# Altium PCB vme64x6U_ctrlc.PcbDoc (part 15 of 18)
Units mm, origin at the board's own origin, x right, y up, seen from the top; angles counter-clockwise.
Board outline 233.35 x 162 mm, 6 copper layers (TopLayer, PlaneGnd, PlanePwr, MidLayer3, MidLayer4, BottomLayer); 408 components, 677 nets, 2169 pads, 1555 vias.
Unrouted connection lines stored in the file: 184.
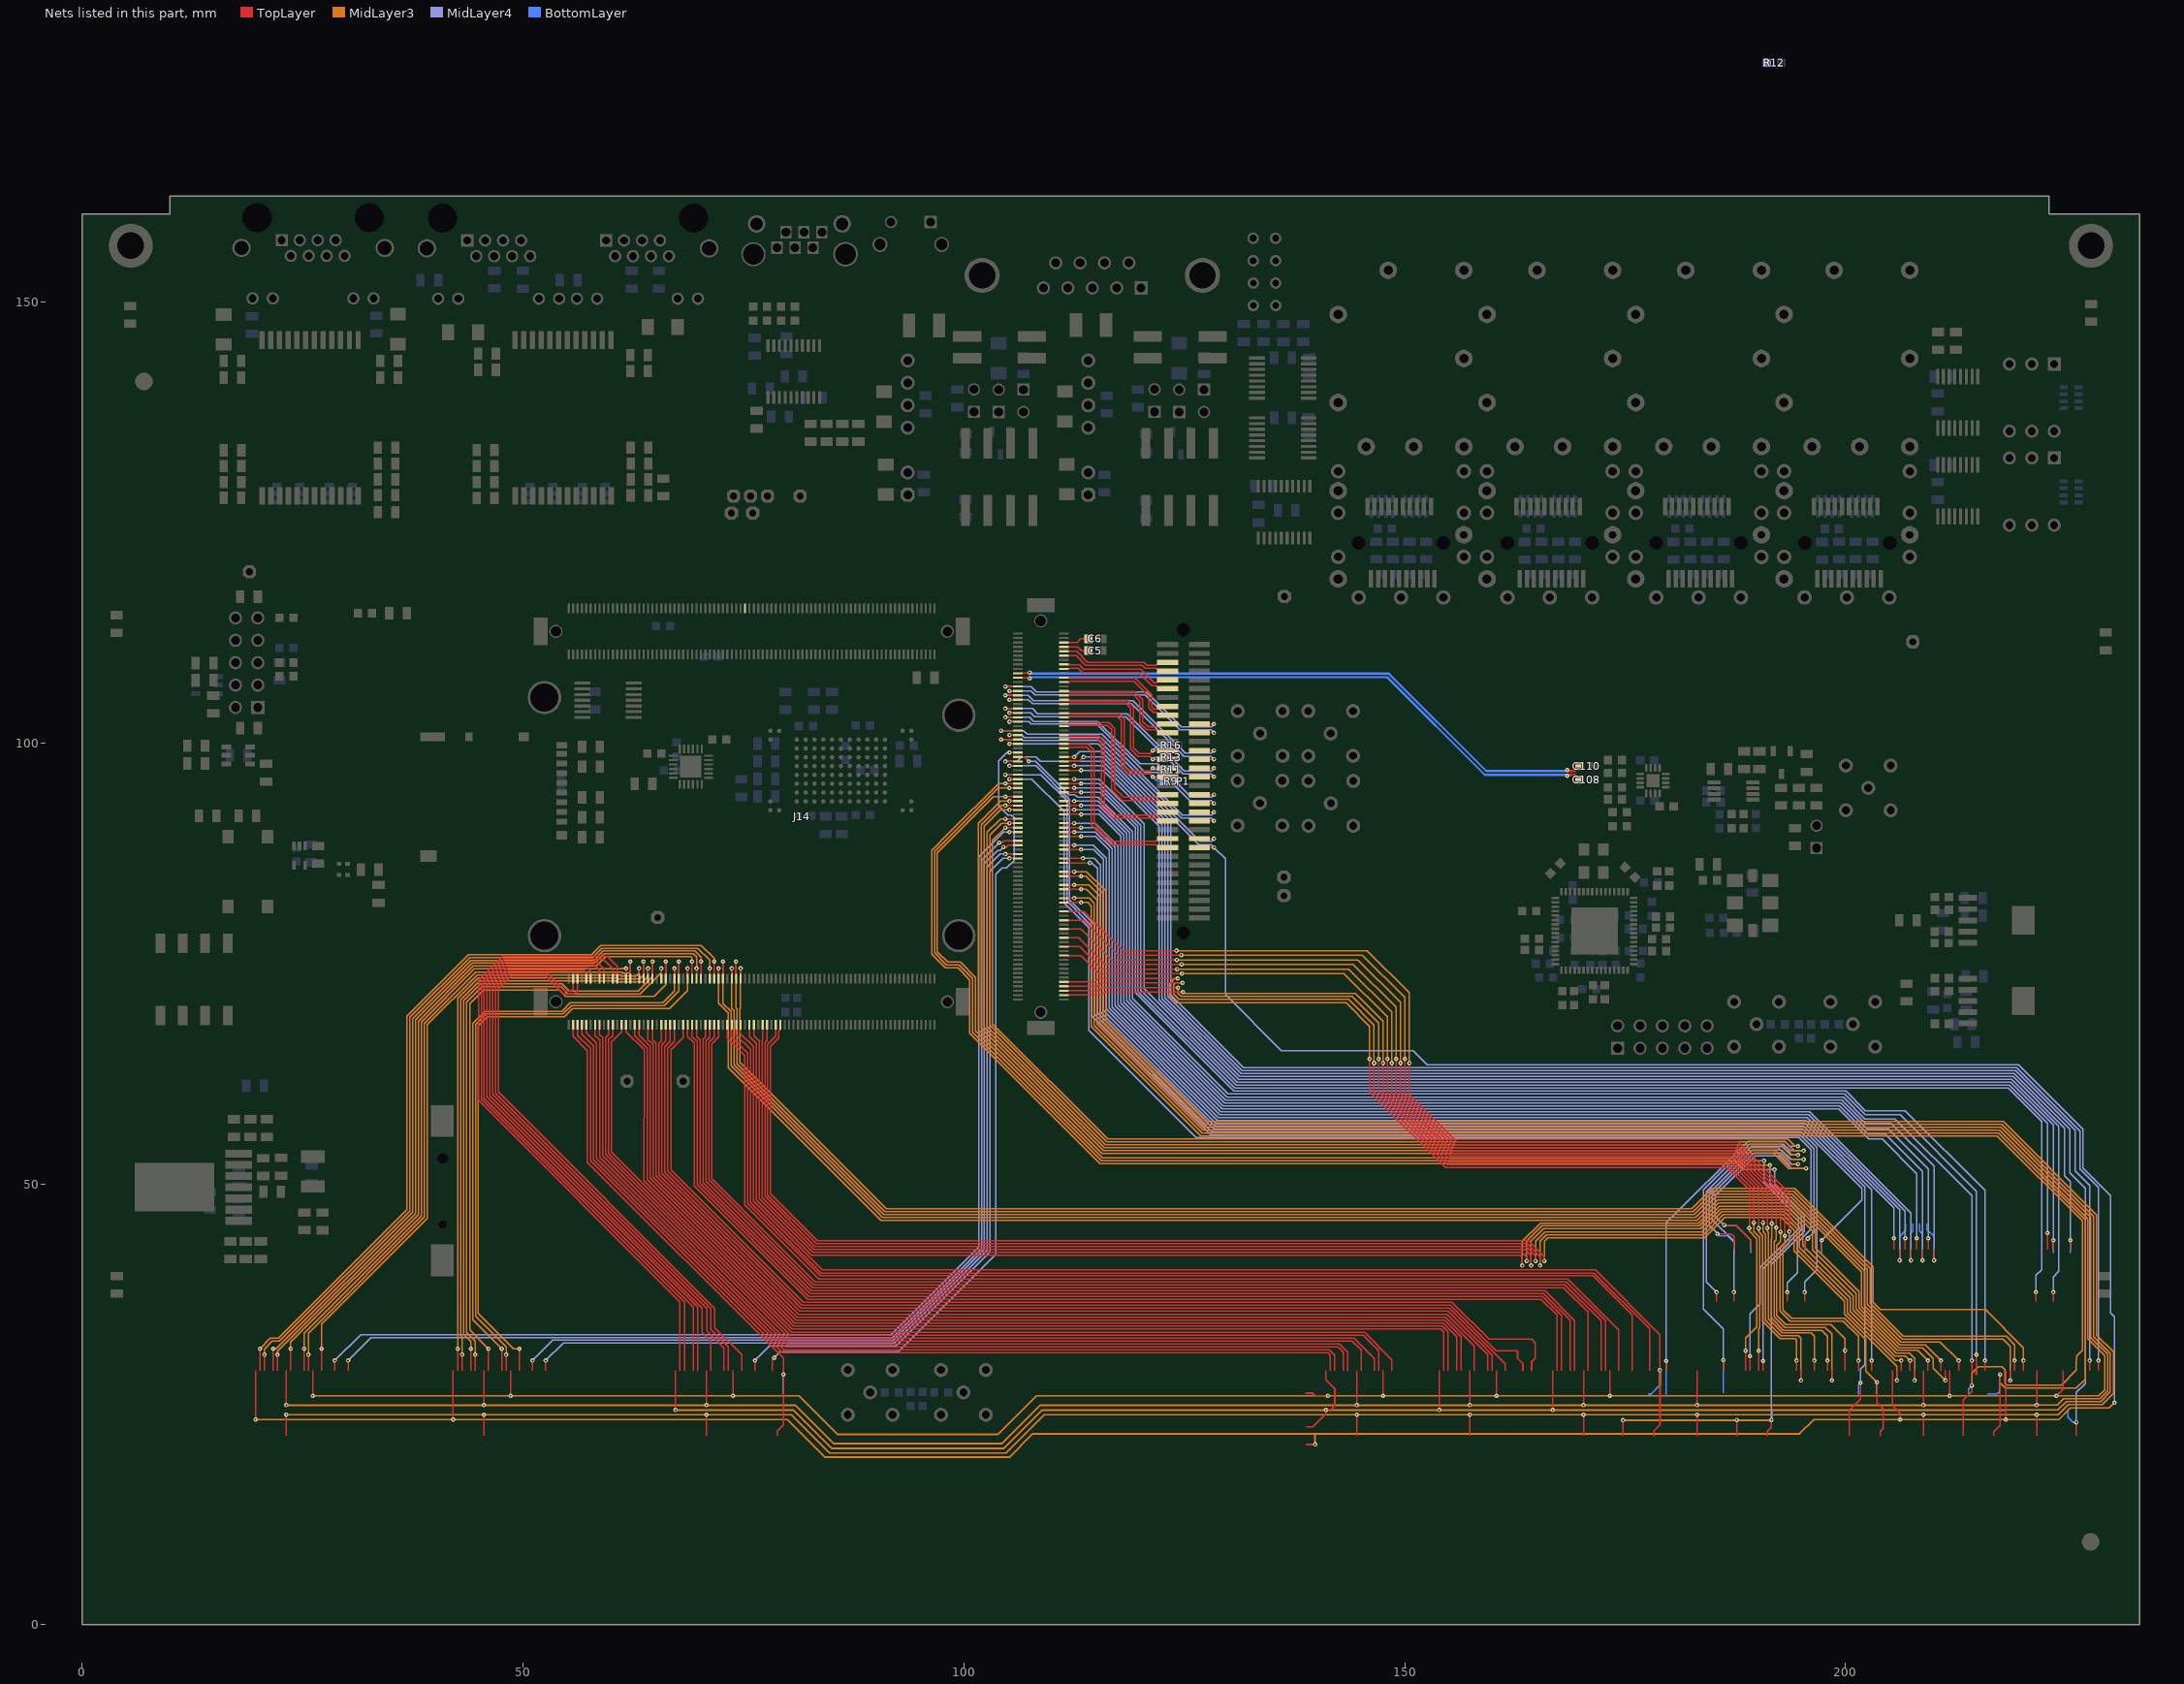
[diagram p19: the nets of this part, all layers, seen from the top]

## Via types
v1: diameter 0.5, hole 0.2, TopLayer to BottomLayer, tented both sides, 1555 vias

## Nets (pads, with @x,y where several pads share a name; then routed paths per layer and width w, separated by ;. In a path a pad name is that pad's centre, name@x,y a point inside that pad or via, vN(x,y) a via of type N, cw(c..) or ccw(c..) an arc to the next point about the centre after c; other vN are vias at no path point) (continued)
IO_BL10: J14.B89 | length 177.7
  TopLayer w0.15: J14.B89@74.675,73.25 v1(74.675,74.425) ; 220.175,28.825 v1(220.175,29.95)
  MidLayer3 w0.15: v1(74.675,74.425) 74.675,69.95 74.6,69.875 74.6,63.758 91.184,47.175 182.57,47.175 184.865,49.47 194.213,49.47 203.125,40.558 203.125,36.568 203.943,35.75 215.85,35.75 220.175,31.425 v1(220.175,29.95)
IO_BL11: J14.B91 | length 178.9
  TopLayer w0.15: J14.B91@74.175,73.25 v1(74.175,75.225) ; 219.175,28.825 v1(219.175,29.95)
  MidLayer3 w0.15: v1(74.175,75.225) 74.175,69.925 74.275,69.825 74.275,63.624 90.505,47.395 91.05,46.85 182.704,46.85 184.999,49.145 194.079,49.145 202.8,40.424 202.8,36.44 206.54,32.7 218.225,32.7 219.175,31.75 v1(219.175,29.95)
IO_BL12: J14.B93 | length 179.4
  TopLayer w0.15: J14.B93@73.675,73.25 v1(73.675,74.425) ; v1(218.675,27.7) 218.675,28.825
  MidLayer3 w0.15: v1(73.675,74.425) 73.675,69.9 73.925,69.65 73.925,63.501 90.366,47.06 90.911,46.515 182.843,46.515 185.138,48.81 193.94,48.81 202.465,40.285 202.465,36.323 206.408,32.38 217.87,32.38 218.675,31.575 v1(218.675,27.7)
IO_BL13: J14.B97 | length 172.6
  TopLayer w0.15: J14.B97@72.675,73.25 v1(72.675,75.225) ; 212.825,28.825 v1(212.825,29.95)
  MidLayer3 w0.15: v1(72.675,75.225) 72.675,70.447 73.595,69.527 73.595,63.379 73.812,63.161 90.234,46.74 90.779,46.195 182.976,46.195 185.271,48.49 193.807,48.49 202.145,40.152 202.145,36.19 206.275,32.06 210.715,32.06 v1(212.825,29.95)
IO_BL14: J14.B99 | length 169.5
  TopLayer w0.15: J14.B99@72.175,73.25 v1(72.175,74.425) ; 210.825,28.825 v1(210.825,29.95)
  MidLayer3 w0.15: v1(72.175,74.425) 72.175,70.495 73.275,69.395 73.275,63.183 73.554,62.903 90.083,46.375 90.583,45.875 183.175,45.875 185.45,48.15 193.695,48.15 201.825,40.02 201.825,36.058 206.143,31.74 209.035,31.74 v1(210.825,29.95)
IO_BL15: J14.B101 | length 88.7
  TopLayer w0.15: 20.15,28.825 v1(20.15,31.3) ; J14.B101@71.675,73.25 v1(71.675,75.225)
  MidLayer3 w0.15: v1(20.15,31.3) 21.33,32.48 22.263,32.48 36.825,47.042 36.825,69 43.82,75.995 57.764,75.995 58.814,77.045 70.205,77.045 71.675,75.575 v1(71.675,75.225)
IO_BL16: J14.B103 | length 87.3
  TopLayer w0.15: 20.65,28.825 v1(20.65,30.62) ; J14.B103@71.175,73.25 v1(71.175,74.425)
  MidLayer3 w0.15: v1(20.65,30.62) 20.65,31.25 21.56,32.16 22.396,32.16 37.145,46.909 37.145,68.867 43.953,75.675 57.896,75.675 58.946,76.725 69.825,76.725 71.175,75.375 v1(71.175,74.425)
IO_BL17: J14.B107 | length 85.3
  TopLayer w0.15: 21.65,28.825 v1(21.65,31.3) ; J14.B107@70.175,73.25 v1(70.175,75.225)
  MidLayer3 w0.15: v1(21.65,31.3) 21.995,31.3 37.47,46.775 37.47,68.733 44.087,75.35 58.031,75.35 59.081,76.4 69.475,76.4 70.175,75.7 v1(70.175,75.225)
IO_BL18: J14.B109 | length 83.8
  TopLayer w0.15: 22.15,28.825 v1(22.15,30.62) ; J14.B109@69.675,73.25 v1(69.675,74.425)
  MidLayer3 w0.15: v1(22.15,30.62) 22.15,30.995 37.795,46.64 37.795,68.598 44.222,75.025 58.165,75.025 59.215,76.075 69.3,76.075 69.675,75.7 v1(69.675,74.425)
IO_BL19: J14.B111 | length 82.2
  TopLayer w0.15: 23.65,28.825 v1(23.65,31.3) ; J14.B111@69.175,73.25 v1(69.175,75.225)
  MidLayer3 w0.15: v1(23.65,31.3) 23.65,32.035 38.12,46.505 38.12,68.463 44.357,74.7 58.3,74.7 59.35,75.75 69.1,75.75 69.175,75.675 v1(69.175,75.225)
IO_BL20: J14.B113 | length 70.5
  TopLayer w0.15: 49.575,28.825 v1(49.575,31.3) ; J14.B113@68.675,73.25 v1(68.675,74.425)
  MidLayer3 w0.15: v1(49.575,31.3) 48.945,31.3 44.93,35.315 44.93,67.925 45.94,68.935 54.685,68.935 55.625,69.875 66.625,69.875 68.675,71.925 v1(68.675,74.425)
IO_BL21: J14.B117 | length 70.7
  TopLayer w0.15: 48.075,28.825 v1(48.075,30.62) ; J14.B117@67.675,73.25 v1(67.675,75.225)
  MidLayer3 w0.15: v1(48.075,30.62) 48.075,31.517 44.61,34.982 44.61,68.057 45.808,69.255 54.552,69.255 55.497,70.2 66.025,70.2 67.675,71.85 v1(67.675,75.225)
IO_BL22: J14.B119 | length 68.9
  TopLayer w0.15: 47.575,28.825 v1(47.575,31.3) ; J14.B119@67.175,73.25 v1(67.175,74.425)
  MidLayer3 w0.15: v1(47.575,31.3) 44.29,34.585 44.29,68.19 45.675,69.575 54.42,69.575 55.37,70.525 65.85,70.525 67.175,71.85 v1(67.175,74.425)
IO_BL23: J14.B123 | length 70.8
  TopLayer w0.15: 46.075,28.825 v1(46.075,31.3) ; J14.B123@66.175,73.25 v1(66.175,75.225)
  MidLayer3 w0.15: v1(46.075,31.3) 43.965,33.41 43.965,70.455 45.485,71.975 54.125,71.975 54.87,71.23 64.855,71.23 66.175,72.55 v1(66.175,75.225)
IO_BL24: J14.B125 | length 68
  TopLayer w0.15: 44.575,28.825 v1(44.575,30.62) ; J14.B125@65.675,73.25 v1(65.675,74.425)
  MidLayer3 w0.15: v1(44.575,30.62) 44.575,32.17 43.576,33.169 43.576,70.616 45.324,72.364 54.286,72.364 55.1,71.55 63.25,71.55 65.675,73.975 v1(65.675,74.425)
IO_BL25: J14.B129 | length 69.2
  TopLayer w0.15: 44.075,28.825 v1(44.075,31.3) ; J14.B129@64.675,73.25 v1(64.675,75.225)
  MidLayer3 w0.15: v1(44.075,31.3) 44.075,32.125 43.24,32.96 43.24,70.755 45.185,72.7 54.425,72.7 55.25,71.875 63.05,71.875 64.675,73.5 v1(64.675,75.225)
IO_BL26: J14.B131 | length 66.6
  TopLayer w0.15: 43.075,28.825 v1(43.075,30.62) ; J14.B131@64.175,73.25 v1(64.175,74.425)
  MidLayer3 w0.15: v1(43.075,30.62) 43.075,32.67 42.915,32.83 42.915,70.89 45.05,73.025 60.5,73.025 60.6,72.925 63.575,72.925 64.175,73.525 v1(64.175,74.425)
IO_BL27: J14.B133 | length 68
  TopLayer w0.15: 42.575,28.825 v1(42.575,31.3) ; J14.B133@63.675,73.25 v1(63.675,75.225)
  MidLayer3 w0.15: v1(42.575,31.3) 42.575,71.03 44.91,73.365 60.735,73.365 60.85,73.25 63.225,73.25 63.675,73.7 v1(63.675,75.225)
IO_BL28: J14.B135 | length 72.4
  TopLayer w0.15: 27.15,28.825 v1(27.15,31.3) ; J14.B135@63.175,73.25 v1(63.175,74.425)
  MidLayer3 w0.15: v1(27.15,31.3) 27.15,34.1 39.135,46.085 39.135,68.043 44.777,73.685 61.015,73.685 61.125,73.575 62.85,73.575 63.175,73.9 v1(63.175,74.425)
IO_BL29: J14.B139 | length 73.8
  TopLayer w0.15: 25.65,28.825 v1(25.65,30.62) ; J14.B139@62.175,73.25 v1(62.175,75.225)
  MidLayer3 w0.15: v1(25.65,30.62) 25.65,33.053 38.815,46.218 38.815,68.176 44.644,74.005 61.245,74.005 61.35,73.9 62,73.9 62.175,74.075 v1(62.175,75.225)
IO_BL30: J14.B141 | length 71.9
  TopLayer w0.15: 25.15,28.825 v1(25.15,31.3) ; J14.B141@61.675,73.25 v1(61.675,74.425)
  MidLayer3 w0.15: v1(25.15,31.3) 25.15,33.069 38.45,46.369 38.45,68.327 44.493,74.37 61.225,74.37 61.28,74.425 v1(61.675,74.425)
IO_BL31: J14.B145 | length 72.5
  TopLayer w0.15: J14.B145@60.675,73.25 60.675,74.65 59.505,75.82 47.717,75.82 44.945,73.048 44.945,59.477 67.8,36.622 67.8,28.825
IO_BL32: J14.B147 | length 71.2
  TopLayer w0.15: J14.B147@60.175,73.25 60.175,74.4 59.075,75.5 47.849,75.5 45.265,72.916 45.265,59.609 68.3,36.574 68.3,28.825
IO_BL33: J14.B151 | length 69.8
  TopLayer w0.15: J14.B151@59.175,73.25 59.175,74.35 58.35,75.175 47.984,75.175 45.59,72.781 45.59,59.737 69.3,36.027 69.3,28.825
IO_BL34: J14.B153 | length 68.6
  TopLayer w0.15: J14.B153@58.675,73.25 58.675,74.225 58.05,74.85 48.119,74.85 45.915,72.646 45.915,59.879 69.8,35.994 69.8,28.825
IO_BL35: J14.B157 | length 67.4
  TopLayer w0.15: J14.B157@57.675,73.25 57.675,74.125 57.275,74.525 48.253,74.525 46.24,72.512 46.24,60.013 70.33,35.923 70.33,33.145 71.3,32.175 71.3,28.825
IO_BL36: J14.B159 | length 66.6
  TopLayer w0.15: J14.B159@57.175,73.25 57.175,73.9 56.875,74.2 48.388,74.2 46.565,72.377 46.565,60.148 70.866,35.847 70.866,33.309 72.8,31.375 72.8,28.825
IO_BL37: J14.B163 | length 66.6
  TopLayer w0.15: J14.B163@56.175,73.25 56.175,71.925 55.805,71.555 54.57,71.555 52.57,73.555 48.655,73.555 47.21,72.11 47.21,60.415 71.75,35.875 71.75,33.675 74.8,30.625 74.8,28.825
IO_BL38: J14.B165 | length 65.9
  TopLayer w0.15: J14.B165@55.675,73.25 55.675,72.075 55.475,71.875 54.75,71.875 52.75,73.875 48.522,73.875 46.89,72.243 46.89,60.282 71.308,35.864 71.308,33.492 73.3,31.5 73.3,28.825
IO_BR1: J14.B72 | length 166.1
  TopLayer w0.15: J14.B72@79.175,68.05 79.175,67.475 79,67.3 79,66.525 78.069,65.594 78.069,48.856 83.4,43.525 164.025,43.525 165.835,41.715 v1(165.835,41.26) ; v1(205.825,27.7) 205.825,28.825
  MidLayer3 w0.15: v1(165.835,41.26) 165.835,43.5 166.235,43.9 166.725,43.9 184,43.9 186.275,46.175 192.75,46.175 194.15,44.775 194.15,42.4 199.875,36.675 199.875,35.25 205.825,29.3 v1(205.825,27.7)
IO_BR2: J14.B74 | length 166.4
  TopLayer w0.15: J14.B74@78.675,68.05 78.675,66.75 77.749,65.824 77.749,48.724 83.267,43.205 163.892,43.205 165.335,41.762 v1(165.335,40.735) ; 206.325,28.825 v1(206.325,29.95)
  MidLayer3 w0.15: v1(165.335,40.735) 165.335,43.5 166.056,44.221 166.725,44.221 183.854,44.221 186.133,46.5 192.9,46.5 194.47,44.93 194.47,42.58 200.2,36.85 200.2,35.38 205.63,29.95 v1(206.325,29.95)
IO_BR3: J14.B78 | length 166.8
  TopLayer w0.15: J14.B78@77.675,68.05 77.675,66.275 77.429,66.029 77.429,48.591 83.135,42.885 163.76,42.885 164.835,41.81 v1(164.835,41.26) ; 207.325,28.825 v1(207.325,29.95)
  MidLayer3 w0.15: v1(164.835,41.26) 164.835,43.5 165.891,44.556 166.725,44.556 183.714,44.556 185.983,46.825 193.075,46.825 194.79,45.11 194.79,42.785 200.525,37.05 200.525,35.525 205.6,30.45 206.825,30.45 v1(207.325,29.95)
IO_BR4: J14.B80 | length 171.4
  TopLayer w0.15: J14.B80@77.175,68.05 77.185,68.04 77.185,66.335 77.109,66.259 77.109,48.459 83.002,42.565 163.627,42.565 164.335,41.857 v1(164.335,40.735) ; v1(207.825,27.7) 207.825,28.825
  MidLayer3 w0.15: v1(164.335,40.735) 164.335,43.5 165.745,44.91 166.725,44.91 183.568,44.91 185.808,47.15 193.275,47.15 195.15,45.275 195.15,43 200.85,37.3 200.85,35.675 205.75,30.775 207.225,30.775 207.825,30.175 v1(207.825,27.7)
IO_BR5: J14.B84 | length 170.3
  TopLayer w0.15: J14.B84@76.175,68.05 76.175,66.82 76.789,66.206 76.789,48.326 82.87,42.245 163.33,42.245 163.835,41.74 v1(163.835,41.26) ; 209.325,28.825 v1(209.325,29.95)
  MidLayer3 w0.15: v1(163.835,41.26) 163.835,43.5 165.565,45.23 166.725,45.23 183.435,45.23 185.68,47.475 193.425,47.475 196.25,44.65 196.25,42.5 201.175,37.575 201.175,35.803 205.878,31.1 208.175,31.1 v1(209.325,29.95)
IO_BR6: J14.B86 | length 175.6
  TopLayer w0.15: J14.B86@75.675,68.05 75.675,66.695 76.469,65.901 76.469,48.194 82.737,41.925 163.075,41.925 163.335,41.665 v1(163.335,40.735) ; v1(211.325,27.7) 211.325,28.825
  MidLayer3 w0.15: v1(163.335,40.735) 163.335,43.5 165.385,45.55 166.725,45.55 183.303,45.55 185.578,47.825 193.55,47.825 196.57,44.805 196.57,42.705 201.5,37.775 201.5,35.93 206.01,31.42 208.705,31.42 209.95,30.175 209.95,29.075 v1(211.325,27.7)
IO_BR7: J14.B90 | length 144.8
  TopLayer w0.15: J14.B90@74.675,68.05 74.675,67.045 76.135,65.585 76.135,48.055 83.965,40.225 171.609,40.225 178.95,32.884 v1(178.95,28.85)
  TopLayer w0.2: 178.275,21.425 178.275,21.975 178.95,22.65 v1(178.95,28.85)
  BottomLayer w0.2: 177.7,26.15 177.925,26.15 178.95,27.175 v1(178.95,28.85)
IO_BR8: J14.B92 | length 133.5
  TopLayer w0.15: J14.B92@74.175,68.05 74.175,66.87 75.799,65.246 75.799,47.916 83.826,39.889 171.47,39.889 177.775,33.584 177.775,28.825
IO_BR9: J14.B94 | length 132.9
  TopLayer w0.15: J14.B94@73.675,68.05 73.675,66.645 75.477,64.843 75.477,47.783 83.693,39.567 171.337,39.567 175.775,35.129 175.775,28.825
IO_BR10: J14.B96 | length 130.9
  TopLayer w0.15: J14.B96@73.175,68.05 73.175,66.52 75.135,64.56 75.135,47.641 83.551,39.225 168.509,39.225 174.275,33.459 174.275,28.825
IO_BR11: J14.B100 | length 131.5
  TopLayer w0.15: J14.B100@72.175,68.05 72.175,66.625 71.41,65.86 71.41,50.59 83.111,38.889 168.345,38.889 172.775,34.459 172.775,28.825
IO_BR12: J14.B102 | length 131.3
  TopLayer w0.15: J14.B102@71.675,68.05 71.675,66.625 71.073,66.023 71.073,50.45 82.971,38.552 168.182,38.552 172.275,34.459 172.275,28.825
IO_BR13: J14.B104 | length 130.7
  TopLayer w0.15: J14.B104@71.175,68.05 71.175,66.625 70.738,66.188 70.738,50.312 82.833,38.217 168.017,38.217 170.775,35.459 170.775,28.825
IO_BR14: J14.B106 | length 129
  TopLayer w0.15: J14.B106@70.675,68.05 70.675,66.625 70.402,66.352 70.402,50.173 82.694,37.882 165.893,37.882 169.275,34.5 169.275,28.825
IO_BR15: J14.B110 | length 129
  TopLayer w0.15: J14.B110@69.675,68.05 69.675,66.72 70.077,66.318 70.077,50.038 82.559,37.556 165.759,37.556 168.775,34.539 168.775,28.825
IO_BR16: J14.B112 | length 128.8
  TopLayer w0.15: J14.B112@69.175,68.05 69.175,66.72 69.748,66.147 69.748,49.902 82.423,37.227 165.623,37.227 167.775,35.075 167.775,28.825
IO_BR17: J14.B114 | length 128.8
  TopLayer w0.15: J14.B114@68.675,68.05 68.675,66.72 69.427,65.968 69.427,49.768 82.289,36.906 165.489,36.906 167.275,35.12 167.275,28.825
IO_BR18: J14.B116 | length 126.5
  TopLayer w0.15: J14.B116@68.175,68.05 68.175,66.6 66.775,65.2 66.775,51.6 81.796,36.579 155.354,36.579 159.558,32.375 164.4,32.375 164.8,31.975 164.8,31.075
  TopLayer w0.2: 164.4,28.825 164.4,29.825 164.8,30.225 164.8,31.075
IO_BR19: J14.B120 | length 124.2
  TopLayer w0.15: J14.B120@67.175,68.05 67.175,66.125 66.421,65.371 66.421,51.454 81.65,36.225 155.208,36.225 160.358,31.075 162.8,31.075
  TopLayer w0.2: 162.8,31.075 162.8,30.2 163.4,29.6 163.4,28.825
IO_BR20: J14.B122 | length 122
  TopLayer w0.15: J14.B122@66.675,68.05 66.675,66.15 66.092,65.567 66.092,51.317 81.513,35.896 155.071,35.896 161.4,29.567 161.4,28.825
IO_BR21: J14.B124 | length 121.5
  TopLayer w0.15: J14.B124@66.175,68.05 66.175,66.175 65.75,65.75 65.75,51.175 81.372,35.553 154.93,35.553 158.383,32.1 158.4,32.1 159.9,30.6 159.9,28.825
IO_BR22: J14.B126 | length 121.4
  TopLayer w0.15: J14.B126@65.675,68.05 65.675,66.2 65.414,65.939 65.414,51.036 81.233,35.217 154.79,35.217 159.4,30.608 159.4,28.825
IO_BR23: J14.B130 | length 120.9
  TopLayer w0.15: J14.B130@64.675,68.05 64.675,66.32 65.078,65.917 65.078,50.897 81.093,34.882 154.651,34.882 157.9,31.633 157.9,28.825
IO_BR24: J14.B132 | length 120.5
  TopLayer w0.15: J14.B132@64.175,68.05 64.175,66.367 64.742,65.8 64.742,50.758 80.954,34.546 154.512,34.546 156.4,32.658 156.4,28.825
IO_BR25: J14.B136 | length 120.7
  TopLayer w0.15: J14.B136@63.175,68.05 63.175,66.845 64.406,65.614 64.406,50.619 80.815,34.21 154.373,34.21 155.9,32.683 155.9,28.825
IO_BR26: J14.B138 | length 120.5
  TopLayer w0.15: J14.B138@62.675,68.05 62.675,66.795 64.084,65.386 64.084,50.486 80.682,33.888 154.24,33.888 154.9,33.228 154.9,28.825
IO_BR27: J14.B142 | length 120.7
  TopLayer w0.15: J14.B142@61.675,68.05 61.675,67.27 63.76,65.185 63.76,64.61 63.732,50.368 80.544,33.556 154.069,33.556 154.4,33.225 154.4,28.825
IO_BR28: J14.B144 | length 114.4
  TopLayer w0.15: J14.B144@61.175,68.05 61.175,67.25 60.034,66.109 60.034,53.587 80.45,33.171 145.429,33.171 148.55,30.05 148.55,28.825
IO_BR29: J14.B148 | length 113.7
  TopLayer w0.15: J14.B148@60.175,68.05 60.175,66.825 59.689,66.339 59.689,53.466 80.313,32.842 145.306,32.842 147.05,31.097 147.05,28.825
IO_BR30: J14.B150 | length 114.1
  TopLayer w0.15: J14.B150@59.675,68.05 59.675,66.9 59.369,66.594 59.369,53.311 80.174,32.506 144.219,32.506 146.55,30.175 146.55,28.825 146.55,29.95
IO_BR31: J14.B154 | length 112.6
  TopLayer w0.15: J14.B154@58.675,68.05 58.675,66.895 59.012,66.558 59.012,53.163 79.996,32.179 144.033,32.179 145.05,31.162 145.05,29.9 ; 145.05,28.825 145.05,29.95
IO_BR32: J14.B156 | length 111.4
  TopLayer w0.15: J14.B156@58.175,68.05 58.175,66.82 58.685,66.31 58.685,53.028 79.86,31.852 142.598,31.852 143.55,30.9 143.55,28.775
IO_BR33: J14.B160 | length 111.5
  TopLayer w0.15: J14.B160@57.175,68.05 57.175,67.145 58.342,65.978 58.342,52.886 79.718,31.509 142.455,31.509 143.05,30.915 143.05,28.825
IO_BR34: J14.B162 | length 110.8
  TopLayer w0.15: J14.B162@56.675,68.05 56.675,66.945 57.988,65.632 57.988,52.739 79.572,31.156 141.444,31.156 142.05,30.55 142.05,28.825
IO_BR35: J14.B164 | length 110.8
  TopLayer w0.15: J14.B164@56.175,68.05 56.175,66.823 57.647,65.351 57.647,52.621 79.437,30.831 141.31,30.831 141.55,30.59 141.55,28.825
IO_BR36: J14.B166 | length 59
  TopLayer w0.15: J14.B166@55.675,68.05 55.675,66.725 57.282,65.118 57.282,52.468 79.525,30.225 v1(79.525,28.375) 79.525,22.65 78.8,21.925 ; 78.8,21.425 78.8,21.925 ; 78.8,21.95 78.8,21.925
  BottomLayer w0.2: 79.525,26.25 v1(79.525,28.375)
IO_CL1: J14.C63 | length 125.6
  TopLayer w0.15: J14.C63@111.325,86.4 v1(114.3,86.4) ; 197.3,42.575 v1(197.3,43.6)
  MidLayer4 w0.15: v1(114.3,86.4) 114.5,86.4 115.15,85.75 115.15,69.389 128.329,56.21 195.132,56.21 201.85,49.492 201.85,48.15 v1(197.3,43.6)
  BottomLayer w0.15: 197.3,42.2 v1(197.3,43.6)
IO_CL2: J14.C65 | length 146.4
  TopLayer w0.15: J14.C65@111.325,86.9 v1(113.5,86.9) ; 200.45,21.425 200.45,24.325 201.699,25.574 v1(201.699,27.45)
  MidLayer4 w0.15: v1(113.5,86.9) 114.755,86.9 115.475,86.18 115.475,69.524 128.464,56.535 195.266,56.535 202.175,49.626 202.175,29.45 201.699,28.974 v1(201.699,27.45)
  BottomLayer w0.15: 201.475,26.1 201.475,26.125 201.475,27.175 201.699,27.399 v1(201.699,27.45)
IO_CL3: J14.C69 | length 138.1
  TopLayer w0.15: J14.C69@111.325,87.9 v1(113.3,87.9) ; 202.95,28.825 v1(202.95,29.95)
  MidLayer4 w0.15: v1(113.3,87.9) 114.705,87.9 115.81,86.795 115.81,69.663 128.603,56.87 195.405,56.87 202.95,49.325 v1(202.95,29.95)
IO_CL4: J14.C71 | length 125.9
  TopLayer w0.15: J14.C71@111.325,88.4 v1(112.5,88.4) ; 205.475,42.575 v1(205.475,43.825)
  MidLayer4 w0.15: v1(112.5,88.4) 114.686,88.4 116.15,86.936 116.15,69.803 128.744,57.21 195.54,57.21 205.475,47.275 v1(205.475,43.825)
IO_CL5: J14.C75 | length 141.1
  TopLayer w0.15: J14.C75@111.325,89.4 v1(113.3,89.4) ; v1(206.125,41.325) 206.125,42.575
  MidLayer4 w0.15: v1(113.3,89.4) 114.955,89.4 116.475,87.88 116.475,69.938 128.878,57.535 195.671,57.535 204.505,48.7 ; 201.31,51.896 204.505,48.7 ; v1(206.125,41.325) 206.125,47.081 ; 204.505,48.7 206.125,47.081 ; 204.505,48.7 206.125,47.081
  BottomLayer w0.15: v1(206.125,41.325) 206.125,44.025 206.825,44.725 206.825,45.45
IO_CL6: J14.C77 | length 128.1
  TopLayer w0.15: J14.C77@111.325,89.9 v1(112.5,89.9) ; 206.775,42.575 v1(206.775,43.825)
  MidLayer4 w0.15: v1(112.5,89.9) 114.911,89.9 116.798,88.013 116.798,70.072 129.012,57.857 195.804,57.857 206.775,46.887 v1(206.775,43.825)
IO_CL7: J14.C79 | length 135.6
  TopLayer w0.15: J14.C79@111.325,90.4 v1(113.3,90.4) ; v1(207.425,41.325) 207.425,42.575
  MidLayer4 w0.15: v1(113.3,90.4) 114.905,90.4 117.125,88.18 117.125,70.207 129.147,58.185 195.94,58.185 207.425,46.7 v1(207.425,41.325)
  BottomLayer w0.15: v1(207.425,41.325) 207.425,44.425 207.625,44.625 207.625,45.45
IO_CL8: J14.C81 | length 132.3
  TopLayer w0.15: J14.C81@111.325,90.9 v1(112.5,90.9) ; 208.075,42.575 v1(208.075,43.825)
  MidLayer4 w0.15: v1(112.5,90.9) 114.865,90.9 117.45,88.315 117.45,70.342 129.282,58.51 199.193,58.51 202.634,55.068 204.15,55.068 208.075,51.143 v1(208.075,43.825)
IO_CL9: J14.C85 | length 140.9
  TopLayer w0.15: J14.C85@111.325,91.9 v1(113.3,91.9) ; v1(208.725,41.325) 208.725,42.575
  MidLayer4 w0.15: v1(113.3,91.9) 115.305,91.9 117.775,89.43 117.775,70.477 129.417,58.835 199.327,58.835 202.5,55.663 204.475,55.663 208.725,51.413 v1(208.725,41.325)
  BottomLayer w0.15: 208.425,45.45 208.425,44.625 208.725,44.325 v1(208.725,41.325)
IO_CL10: J14.C87 | length 135.1
  TopLayer w0.15: J14.C87@111.325,92.4 v1(112.5,92.4) ; 209.375,42.575 v1(209.375,43.825)
  MidLayer4 w0.15: v1(112.5,92.4) 115.3,92.4 118.125,89.575 118.125,70.622 129.562,59.185 199.472,59.185 202.425,56.232 204.825,56.232 209.375,51.682 v1(209.375,43.825)
IO_CL11: J14.C89 | length 143.1
  TopLayer w0.15: J14.C89@111.325,92.9 v1(113.3,92.9) ; v1(210.025,41.325) 210.025,42.575
  MidLayer4 w0.15: v1(113.3,92.9) 115.26,92.9 118.45,89.709 118.45,70.756 129.696,59.51 199.607,59.51 202.237,56.88 205.15,56.88 210.025,52.005 v1(210.025,41.325)
  BottomLayer w0.15: 209.225,45.45 209.225,44.825 210.025,44.025 v1(210.025,41.325)
IO_CL12: J14.C91 | length 152.5
  TopLayer w0.15: J14.C91@111.325,93.4 v1(112.5,93.4) ; 214.325,28.825 v1(214.325,29.95)